# Altium PCB PCB_15122020_01BC.PcbDoc (part 5 of 9)
Units mm, origin at the board's own origin, x right, y up, seen from the top; angles counter-clockwise.
Board outline 207.9 x 131.1 mm, 4 copper layers (Top Layer, Layer 1, Layer 2, Bottom Layer), stack 1.57 mm thick; 684 components, 706 nets, 2796 pads, 1697 vias.
Unrouted connection lines stored in the file: 3.
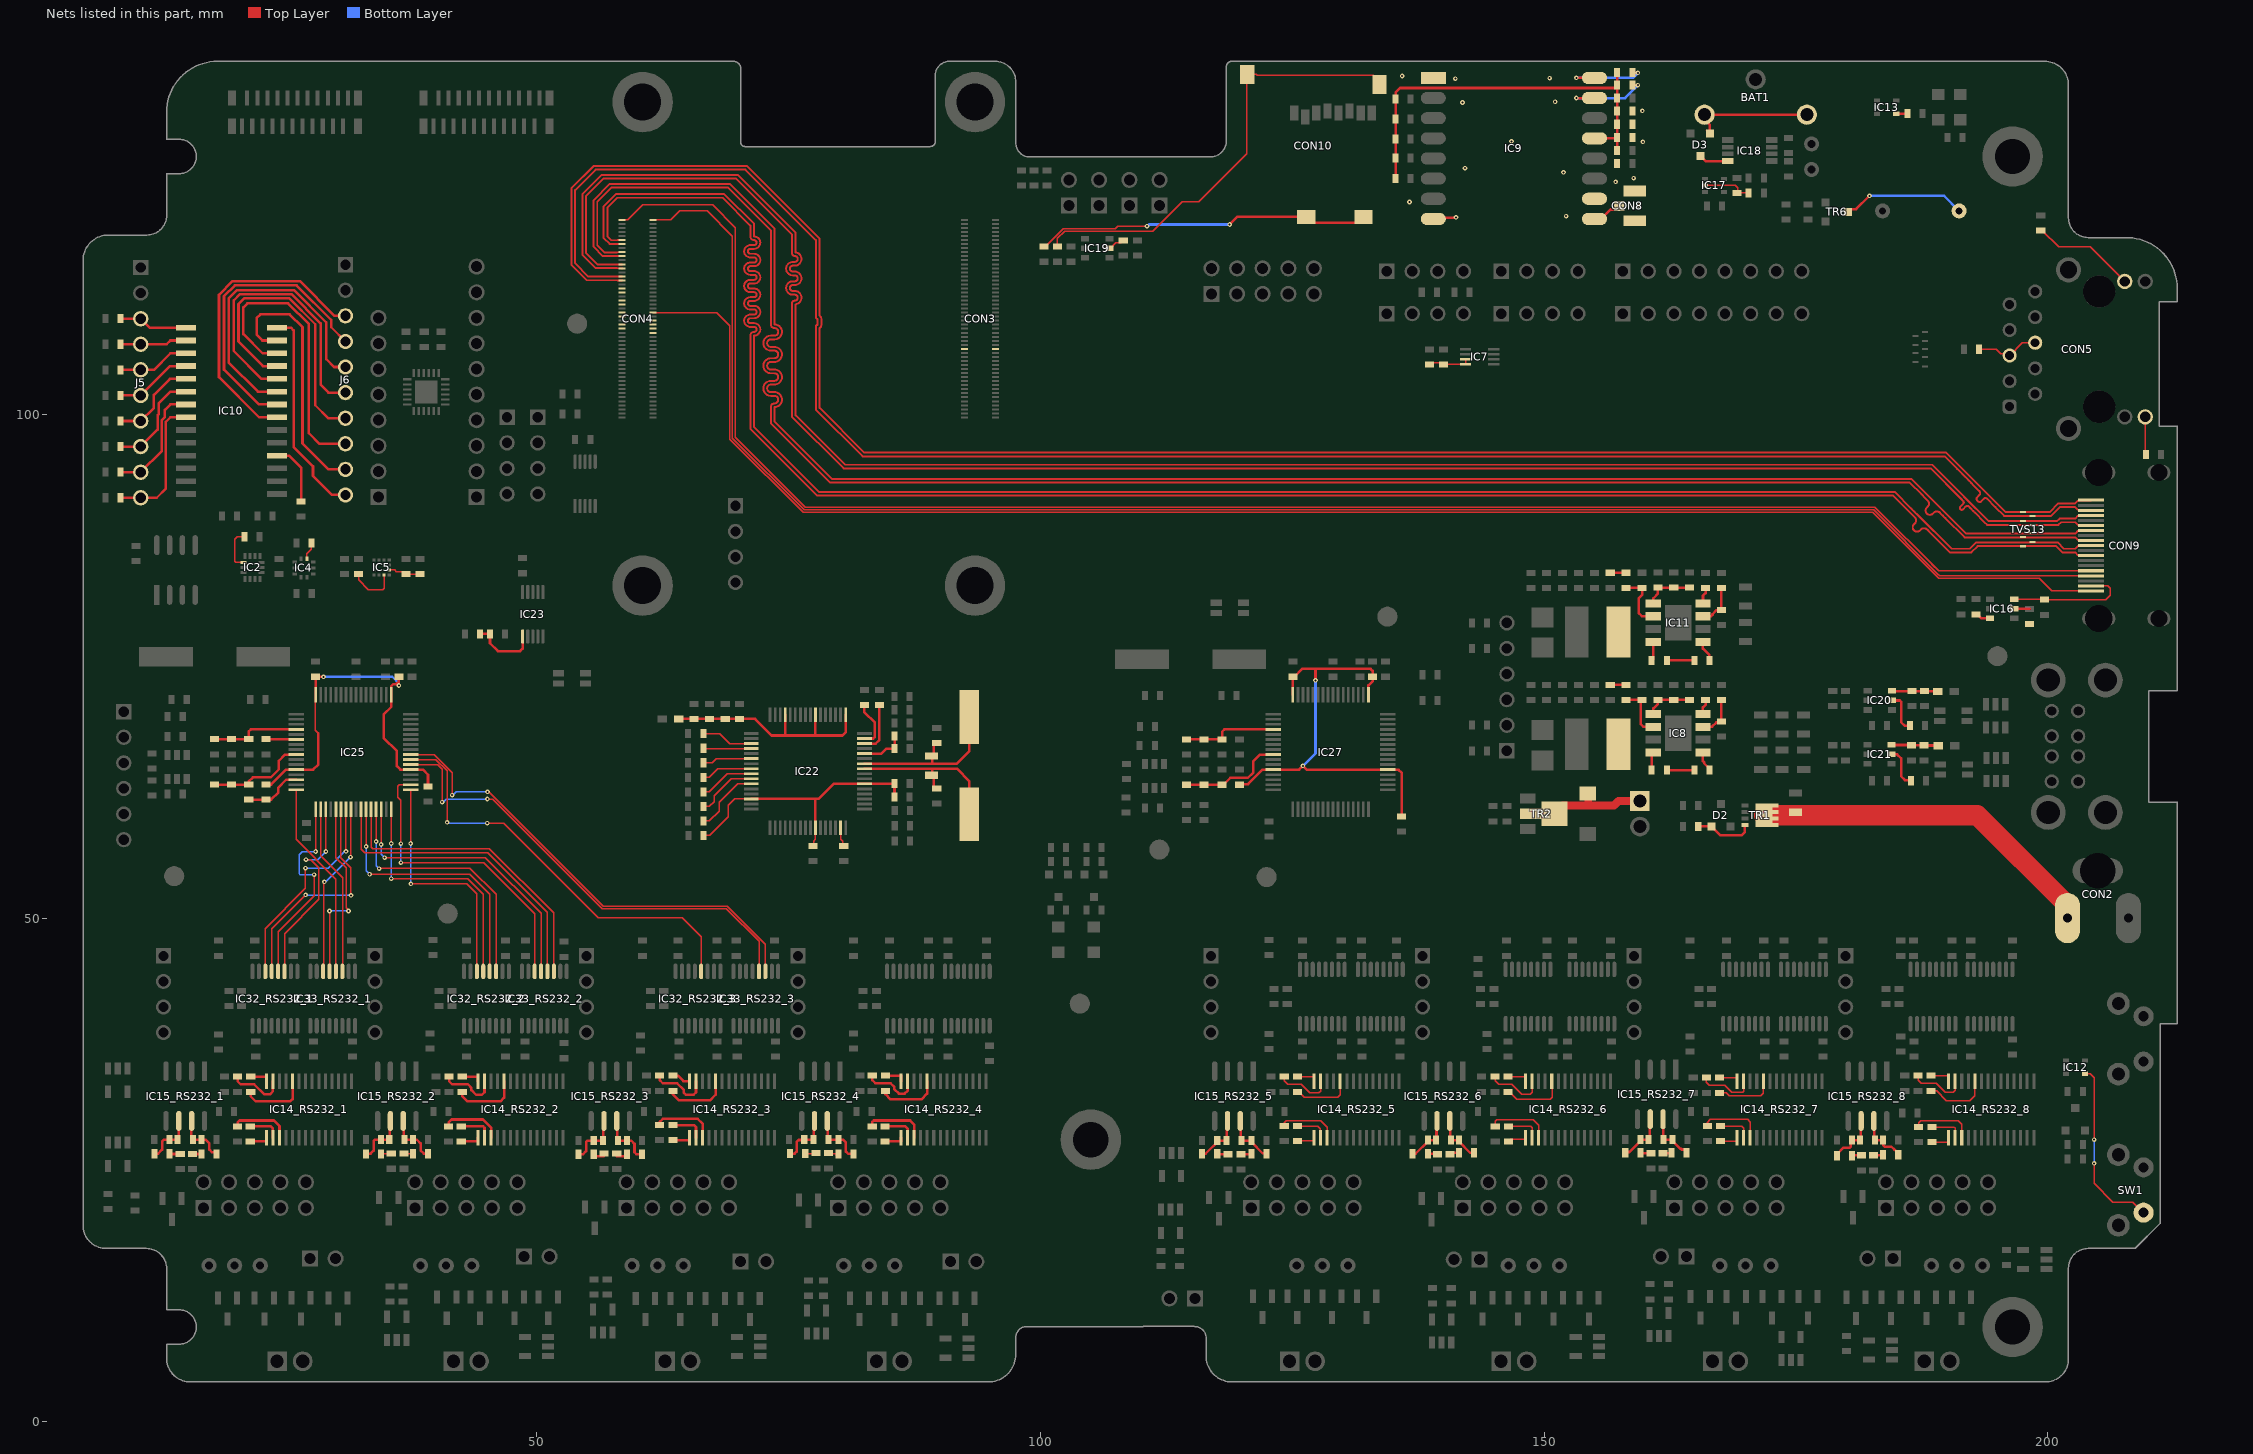
[diagram p7: the nets of this part, all layers, seen from the top]

## Via types
v1: diameter 0.46, hole 0.2, Top Layer to Bottom Layer, tented both sides, 1697 vias

## Nets (pads, with @x,y where several pads share a name; then routed paths per layer and width w, separated by ;. In a path a pad name is that pad's centre, name@x,y a point inside that pad or via, vN(x,y) a via of type N, cw(c..) or ccw(c..) an arc to the next point about the centre after c; other vN are vias at no path point) (continued)
HDMI0_CLK_N: CON4.90 CON9.12 TVS13.5 | length 189.8
  Top Layer w0.192: CON4.90@58.46,117.3 58.456,117.296 57.999,117.296 57.988,117.285 57.373,117.285 57,117.658 57,120.5 58,121.5 68.446,121.5 71.2,118.746 71.2,117.664 ccw(c71.569,117.664) 71.569,117.295 cw(c71.569,117.049) 71.815,117.049 cw(c71.569,117.049) 71.569,116.803 71.198,116.803 ccw(c71.198,116.187) 71.198,115.572 71.571,115.572 cw(c71.571,115.326) 71.817,115.326 cw(c71.571,115.326) 71.571,115.08 71.198,115.08 ccw(c71.198,114.465) 71.198,113.849 71.571,113.849 cw(c71.571,113.603) 71.817,113.603 cw(c71.571,113.603) 71.571,113.357 71.198,113.357 ccw(c71.198,112.742) 71.198,112.127 71.571,112.127 cw(c71.571,111.881) 71.817,111.881 cw(c71.571,111.881) 71.571,111.635 71.198,111.635 ccw(c71.198,111.019) 71.198,110.404 71.571,110.404 cw(c71.571,110.158) 71.817,110.158 cw(c71.571,110.158) 71.571,109.912 71.198,109.912 ccw(c71.198,109.297) 71.198,108.681 71.571,108.681 cw(c71.571,108.435) 71.817,108.435 cw(c71.571,108.435) 71.571,108.189 ccw(c71.571,107.818) 71.2,107.818 71.2,98.577 77.847,91.93 184.647,91.93 186.2,90.378 186.501,90.077 186.802,89.775 cw(c186.501,89.474) 186.802,89.173 186.713,89.085 ccw(c187.015,88.783) 186.713,88.482 ccw(c187.015,88.783) 187.316,88.482 187.404,88.571 cw(c187.705,88.27) 188.007,88.571 188.308,88.27 188.33,88.247 190.287,86.29 192.405,86.29 193.031,86.916 200.813,86.916 201.439,86.29 202.72,86.29 202.981,86.029 204.246,86.029 CON9.12@204.3,85.975
HDMI0_CLK_P: CON4.88 CON9.10 TVS13.6 | length 189.8
  Top Layer w0.192: CON4.88@58.46,116.9 58.456,116.904 57.999,116.904 57.988,116.915 57.22,116.915 56.63,117.505 56.63,120.653 57.847,121.87 68.599,121.87 71.57,118.899 71.57,117.664 cw(c71.569,117.049) 72.185,117.049 cw(c71.569,117.049) 71.569,116.433 71.198,116.433 ccw(c71.198,116.187) 71.198,115.941 71.571,115.941 cw(c71.571,115.326) 72.187,115.326 cw(c71.571,115.326) 71.571,114.711 71.198,114.711 ccw(c71.198,114.465) 71.198,114.219 71.571,114.219 cw(c71.571,113.603) 72.187,113.603 cw(c71.571,113.603) 71.571,112.988 71.198,112.988 ccw(c71.198,112.742) 71.198,112.496 71.571,112.496 cw(c71.571,111.881) 72.187,111.881 cw(c71.571,111.881) 71.571,111.265 71.198,111.265 ccw(c71.198,111.019) 71.198,110.773 71.571,110.773 cw(c71.571,110.158) 72.187,110.158 cw(c71.571,110.158) 71.571,109.542 71.198,109.542 ccw(c71.198,109.297) 71.198,109.051 71.571,109.051 cw(c71.571,108.435) 72.187,108.435 cw(c71.571,108.435) 71.571,107.82 ; 71.57,107.818 71.57,98.73 78,92.3 184.8,92.3 186.461,90.639 186.762,90.338 187.063,90.037 190.44,86.66 192.252,86.66 192.878,87.286 200.966,87.286 201.592,86.66 202.72,86.66 202.981,86.921 204.246,86.921 CON9.10@204.3,86.975
HDMI0_HOTPLUG: CON4.53 CON9.19 | length 160.8
  Top Layer w0.127: CON4.53@61.54,110.1 67.859,110.1 69.169,108.79 69.169,97.53 76.43,90.269 182.605,90.269 189.153,83.721 199.154,83.721 200.4,82.475 CON9.19@204.3,82.475
HDMI0_SCL: CON4.100 CON9.15 | length 175.1
  Top Layer w0.127: CON4.100@58.46,119.3 59.018,119.3 60.506,120.789 67.459,120.789 69.7,118.548 69.7,97.75 76.65,90.8 90.075,90.8 182.825,90.8 189.15,84.475 ; 188.488,85.138 189.15,84.475 ; CON9.15@204.8,84.475 189.15,84.475
HDMI0_SDA: CON4.99 CON9.16 | length 170.4
  Top Layer w0.127: CON4.99@61.54,119.3 63.3,119.3 64.2,120.2 66.902,120.2 69.423,117.679 69.423,97.635 76.535,90.523 182.71,90.523 189.085,84.148 189.258,83.975 CON9.16@204.8,83.975
HDMI0_TX0_N: CON4.84 CON9.9 TVS13.4 | length 189.7
  Top Layer w0.192: CON4.84@58.46,116.1 58.456,116.096 57.999,116.096 57.988,116.085 56.715,116.085 56,116.8 56,121.1 57.4,122.5 69,122.5 73.23,118.27 73.23,108.929 ccw(c73.592,108.929) 73.592,108.568 cw(c73.592,108.192) 73.967,108.192 cw(c73.592,108.192) 73.592,107.816 73.239,107.816 ccw(c73.239,107.07) 73.239,106.325 73.592,106.325 cw(c73.592,105.949) 73.967,105.949 cw(c73.592,105.949) 73.592,105.573 73.239,105.573 ccw(c73.239,104.828) 73.239,104.082 73.592,104.082 cw(c73.592,103.706) 73.967,103.706 cw(c73.592,103.706) 73.592,103.33 73.239,103.33 ccw(c73.239,102.585) 73.239,101.84 73.592,101.84 cw(c73.592,101.464) 73.967,101.464 cw(c73.592,101.464) 73.592,101.088 ccw(c73.592,100.727) 73.23,100.727 73.23,99.127 79.127,93.23 186.293,93.23 187.477,92.046 187.779,91.745 188.08,91.444 cw(c187.779,91.143) 188.08,90.842 187.991,90.753 ccw(c188.292,90.452) 187.991,90.151 ccw(c188.292,90.452) 188.593,90.151 188.682,90.24 cw(c188.983,89.938) 189.284,90.24 189.585,89.938 189.828,89.696 191.734,87.79 202.72,87.79 202.981,87.529 204.246,87.529 CON9.9@204.3,87.475
HDMI0_TX0_P: CON4.82 CON9.7 TVS13.7 | length 189.7
  Top Layer w0.192: CON4.82@58.46,115.7 58.456,115.704 57.999,115.704 57.988,115.715 56.562,115.715 55.63,116.647 55.63,121.253 57.247,122.87 69.153,122.87 73.6,118.423 73.6,108.937 cw(c73.592,108.192) 74.337,108.192 cw(c73.592,108.192) 73.592,107.446 73.239,107.446 ccw(c73.239,107.07) 73.239,106.694 73.592,106.694 cw(c73.592,105.949) 74.337,105.949 cw(c73.592,105.949) 73.592,105.204 73.239,105.204 ccw(c73.239,104.828) 73.239,104.452 73.592,104.452 cw(c73.592,103.706) 74.337,103.706 cw(c73.592,103.706) 73.592,102.961 73.239,102.961 ccw(c73.239,102.585) 73.239,102.209 73.592,102.209 cw(c73.592,101.464) 74.337,101.464 cw(c73.592,101.464) 73.6,100.718 73.6,99.28 79.28,93.6 186.446,93.6 187.739,92.308 188.04,92.007 188.341,91.705 191.887,88.16 202.72,88.16 202.981,88.421 204.246,88.421 CON9.7@204.3,88.475
HDMI0_TX1_N: CON4.78 CON9.6 TVS13.8 | length 189.8
  Top Layer w0.192: CON4.78@58.46,114.9 58.456,114.896 57.999,114.896 57.988,114.885 56.015,114.885 54.9,116 54.9,121.685 56.615,123.4 69.8,123.4 75.329,117.871 75.329,116.006 ccw(c75.61,116.006) 75.61,115.725 cw(c75.61,115.429) 75.906,115.429 cw(c75.61,115.429) 75.61,115.133 75.417,115.133 ccw(c75.417,114.467) 75.417,113.802 75.61,113.802 cw(c75.61,113.506) 75.906,113.506 cw(c75.61,113.506) 75.61,113.21 75.417,113.21 ccw(c75.417,112.545) 75.417,111.879 75.61,111.879 cw(c75.61,111.583) 75.906,111.583 cw(c75.61,111.583) 75.61,111.287 ccw(c75.61,111.006) 75.329,111.006 75.329,99.749 80.447,94.63 188.37,94.63 191.332,91.668 191.468,91.532 191.603,91.397 cw(c191.468,91.261) 191.603,91.126 191.325,90.847 ccw(c191.461,90.712) 191.325,90.576 ccw(c191.461,90.712) 191.596,90.576 191.874,90.854 cw(c192.01,90.719) 192.146,90.854 192.281,90.719 192.343,90.657 192.611,90.39 192.737,90.263 193.71,89.29 193.975,89.025 201.059,89.025 201.324,89.29 202.72,89.29 202.981,89.029 204.246,89.029 CON9.6@204.3,88.975
HDMI0_TX1_P: CON4.76 CON9.4 TVS13.2 | length 189.7
  Top Layer w0.192: CON4.76@58.46,114.5 58.456,114.504 57.999,114.504 57.988,114.515 55.862,114.515 54.53,115.847 54.53,121.838 56.462,123.77 69.953,123.77 75.698,118.024 75.698,116.088 cw(c75.61,115.429) 76.275,115.429 cw(c75.61,115.429) 75.61,114.763 75.417,114.763 ccw(c75.417,114.467) 75.417,114.171 75.61,114.171 cw(c75.61,113.506) 76.275,113.506 cw(c75.61,113.506) 75.61,112.841 75.417,112.841 ccw(c75.417,112.545) 75.417,112.249 75.61,112.249 cw(c75.61,111.583) 76.275,111.583 cw(c75.61,111.583) 75.698,110.924 75.698,99.902 80.6,95 188.523,95 191.593,91.929 191.729,91.794 194.128,89.395 200.906,89.395 201.171,89.66 202.72,89.66 202.981,89.921 204.246,89.921 CON9.4@204.3,89.975
HDMI0_TX2_N: CON4.72 CON9.3 TVS13.9 | length 189.8
  Top Layer w0.192: CON4.72@58.46,113.7 58.456,113.696 57.999,113.696 57.988,113.685 55.127,113.685 53.8,115.012 53.8,122.27 55.83,124.3 70.7,124.3 77.698,117.302 77.698,109.659 ccw(c77.883,109.659) 77.875,109.475 77.875,108.883 ccw(c77.883,108.698) 77.698,108.698 77.698,100.479 82.347,95.83 189.747,95.83 191,94.577 191.534,94.043 191.736,93.841 192.141,93.437 192.389,93.189 192.591,92.987 192.995,92.582 193.217,92.36 cw(c193.036,92.178) 193.217,91.996 193.004,91.782 ccw(c193.186,91.6) 193.004,91.418 193.044,91.378 ccw(c193.226,91.56) 193.408,91.378 193.68,91.65 cw(c193.804,91.526) 193.928,91.65 194.787,90.79 195.657,89.92 200.323,89.92 201.193,90.79 202.72,90.79 202.981,90.529 204.246,90.529 CON9.3@204.3,90.475
HDMI0_TX2_P: CON4.70 CON9.1 TVS13.1 | length 189.8
  Top Layer w0.192: CON4.70@58.46,113.3 58.456,113.304 57.999,113.304 57.988,113.315 54.974,113.315 53.43,114.858 53.43,122.423 55.677,124.67 70.853,124.67 78.068,117.455 78.068,109.793 cw(c77.883,109.482) 78.245,109.482 78.245,108.875 cw(c77.883,108.875) 78.068,108.564 78.068,100.632 82.5,96.2 189.9,96.2 191.261,94.839 191.796,94.305 191.998,94.102 192.402,93.698 192.65,93.45 192.852,93.248 193.256,92.844 193.479,92.621 195.81,90.29 200.17,90.29 201.04,91.16 202.72,91.16 202.981,91.421 204.246,91.421 CON9.1@204.3,91.475
HDMI1_CEC: CON4.49
HDMI1_CLK_N: CON4.66
HDMI1_CLK_P: CON4.64
HDMI1_HOTPLUG: CON4.43
HDMI1_SCL: CON4.47
HDMI1_SDA: CON4.45
HDMI1_TX0_N: CON4.60
HDMI1_TX0_P: CON4.58
HDMI1_TX1_N: CON4.54
HDMI1_TX1_P: CON4.52
HDMI1_TX2_N: CON4.48
HDMI1_TX2_P: CON4.46
HDMI_PWR: C53.1 CON9.18 IC16.6 | length 12.4
  Top Layer w0.127: IC16.6@196.665,81.65 199.6,81.65 C53.1@199.65,81.6 205.75,81.6 206.2,82.05 206.2,82.725 205.95,82.975 CON9.18@204.3,82.975
ID_SC: CON3.35
ID_SD: CON3.36
LORA_+3V3: C2.2 C3.2 C4.2 FR3.1 IC9.13 R3.2 R4.2 R5.2 R6.2 R7.2 R8.2 R9.2 R10.2 | length 40.8
  Top Layer w0.254: R7.2@135.25,123.4 R3.2@135.25,125.45 R4.2@135.25,127.325 R5.2@135.25,129.325 R6.2@135.25,131.325 135.25,131.95 135.7,132.4 157.077,132.4 R9.2@157.25,132.573 ; IC9.13@155,127.4 157.15,127.4 C4.2@157.25,127.5 ; FR3.1@157.25,126.2 C4.2@157.25,127.5 ; R10.2@157.25,133.925 R9.2@157.25,132.675 R9.2@157.25,132.573 ; C4.2@157.25,127.5 C2.2@157.25,128.8 C3.2@157.25,130.1 R8.2@157.25,131.4 R9.2@157.25,132.573
LORA_DIO1: IC9.15 R9.1 | length 9
  Top Layer w0.254: v1(153.2,131.4) IC9.15@155,131.4 ; R9.1@158.75,132.675 v1(159.3,132.675)
  Bottom Layer w0.254: v1(153.2,131.4) 158.025,131.4 v1(159.3,132.675)
LORA_DIO2: IC9.16 R10.1 | length 8.9
  Top Layer w0.254: v1(153.2,133.4) 155.1,133.4 IC9.16@155,133.4 ; R10.1@158.75,133.925 158.775,133.9 v1(159.3,133.9)
  Bottom Layer w0.254: v1(153.2,133.4) 158.8,133.4 v1(159.3,133.9)
LORA_GND: C2.1 C3.1 C4.1 CON8.2 CON8.3 FR4.1 IC9.1 IC9.8 IC9.10 | length 2.3
  Top Layer w0.254: IC9.8@139,119.4 139.12,119.519 141.205,119.519 v1(141.243,119.557)
  other v1: 152.186,119.668 159.332,120.716 136.629,121.076 157.102,123.086 158.882,123.446 151.918,124.021 142.148,124.434 159.8,127.05 146.761,127.096 159.74,130.135 141.895,130.965 151.094,131.034 141.187,133.321 150.542,133.38 135.898,133.588
NetBAT1_1: BAT1.1 D3.1 | length 12.7
  Top Layer w0.127: D3.1@166.113,128.203 D3.1@166.45,127.867
  Top Layer w0.254: D3.1@166.45,127.867 166.45,128.748 165.92,129.278 BAT1.1@165.92,129.75 BAT1.1@176.08,129.75
NetBZ1_2: BZ1.2 TR6.3 | length 12.3
  Top Layer w0.254: TR6.3@180.15,120.1 180.423,120.373 180.973,120.373 v1(182.3,121.7)
  Bottom Layer w0.254: v1(182.3,121.7) 189.7,121.7 BZ1.2@191.2,120.2
NetC5_1: C5.1 IC7.7 IC7.8 R11.1 | length 4.3
  Top Layer w0.127: R11.1@138.6,104.95 138.775,105.125 139.825,105.125 C5.1@140,104.95 140.025,104.975 IC7.8@142.195,104.975 IC7.7@142.195,105.475
NetC8_1: C8.1 CON2.1 TR1.3 | length 35.1
  Top Layer w2: TR1.3@171.824,60.2 193,60.2 201.95,51.25 CON2.1@201.95,50
NetC10_1: C10.1 IC8.1 | length 2
  Top Layer w0.254: IC8.1@165.765,66.435 165.765,65.59 165.893,65.462 165.893,65.357 166.425,64.825 C10.1@166.425,64.675
NetC10_2: C10.2 R26.1 | length 2.8
  Top Layer w0.254: R26.1@162.175,64.675 C10.2@164.925,64.675
NetC11_2: C11.2 IC8.5 R27.1 R31.2 | length 4.7
  Top Layer w0.254: IC8.5@160.835,70.245 160.835,70.814 161.285,71.264 161.285,71.644 C11.2@161.291,71.65 R27.1@162.868,71.65 R31.2@164.445,71.65
NetC26_1: C26.1 IC8.4 | length 1.5
  Top Layer w0.254: IC8.4@165.765,70.245 165.765,70.906 166.023,71.164 C26.1@166.023,71.65
NetC27_1: C27.1 IC8.6 R29.1 | length 5.4
  Top Layer w0.254: R29.1@158.136,71.65 C27.1@159.714,71.65 159.595,71.531 159.595,69.236 159.856,68.975 IC8.6@160.835,68.975
NetC28_1: C28.1 R29.2 | length 1.3
  Top Layer w0.254: C28.1@156.4,73.15 R29.2@157.7,73.15
NetC29_1: C29.1 IC11.1 | length 2.1
  Top Layer w0.254: IC11.1@165.765,77.42 165.765,76.737 166.399,76.103 166.399,75.603 C29.1@166.425,75.577
NetC29_2: C29.2 R32.1 | length 2.7
  Top Layer w0.254: R32.1@162.175,75.577 C29.2@164.925,75.577
NetC30_2: C30.2 IC11.5 R33.1 R37.2 | length 4.9
  Top Layer w0.254: IC11.5@160.835,81.23 160.835,81.743 161.292,82.2 161.292,82.799 C30.2@161.291,82.8 R33.1@162.868,82.8 R37.2@164.445,82.8
NetC40_1: C40.1 IC11.4 | length 1.6
  Top Layer w0.254: IC11.4@165.765,81.23 165.771,81.236 165.771,82.017 166.023,82.269 C40.1@166.023,82.75
NetC41_1: C41.1 IC11.6 R35.1 | length 5.8
  Top Layer w0.254: R35.1@158.136,82.775 C41.1@159.714,82.775 159.717,82.772 159.717,82.076 159.378,81.737 159.378,80.283 159.701,79.96 IC11.6@160.835,79.96
NetC42_1: C42.1 R35.2 | length 1.3
  Top Layer w0.254: C42.1@156.4,84.275 R35.2@157.7,84.275
NetC43_1: C43.1 CON5.5 CON5.6 | length 6.4
  Top Layer w0.127: C43.1@193.161,106.462 193.173,106.45 194.9,106.45 195.319,106.031 196.019,106.031 CON5.5@196.21,105.84 197.48,107.11 CON5.6@198.75,107.11
NetC46_RS232_1_1: C46_RS232_1.1 IC14_RS232_1.28 | length 2
  Top Layer w0.254: C46_RS232_1.1@21.6,34.25 23.132,34.25 23.155,34.227 IC14_RS232_1.28@23.155,33.8
NetC46_RS232_1_2: C46_RS232_1.2 IC14_RS232_1.24 | length 6.7
  Top Layer w0.254: C46_RS232_1.2@21.6,32.75 21.6,32.3 22.1,31.8 25.518,31.8 25.755,32.037 IC14_RS232_1.24@25.755,33.8
NetC46_RS232_2_1: C46_RS232_2.1 IC14_RS232_2.28 | length 2
  Top Layer w0.254: C46_RS232_2.1@42.6,34.25 44.132,34.25 44.155,34.227 IC14_RS232_2.28@44.155,33.8
NetC46_RS232_2_2: C46_RS232_2.2 IC14_RS232_2.24 | length 6.6
  Top Layer w0.254: C46_RS232_2.2@42.6,32.75 42.6,32.3 43.1,31.8 46.387,31.8 46.755,32.167 IC14_RS232_2.24@46.755,33.8
NetC46_RS232_3_1: C46_RS232_3.1 IC14_RS232_3.28 | length 1.9
  Top Layer w0.254: C46_RS232_3.1@63.5,34.35 64,34.35 64.55,33.8 IC14_RS232_3.28@65.155,33.8
NetC46_RS232_3_2: C46_RS232_3.2 IC14_RS232_3.24 | length 6.4
  Top Layer w0.254: C46_RS232_3.2@63.5,32.85 63.5,32.5 64.1,31.9 67.2,31.9 67.755,32.455 IC14_RS232_3.24@67.755,33.8
NetC46_RS232_4_1: C46_RS232_4.1 IC14_RS232_4.28 | length 2.1
  Top Layer w0.254: C46_RS232_4.1@84.6,34.35 86.132,34.35 86.155,34.327 IC14_RS232_4.28@86.155,33.8
NetC46_RS232_4_2: C46_RS232_4.2 IC14_RS232_4.24 | length 6.2
  Top Layer w0.254: C46_RS232_4.2@84.6,32.85 84.6,32.525 85.125,32 88.187,32 88.755,32.567 IC14_RS232_4.24@88.755,33.8
NetC46_RS232_5_1: C46_RS232_5.1 IC14_RS232_5.28 | length 2.1
  Top Layer w0.127: C46_RS232_5.1@125.5,34.25 127.068,34.25 127.155,34.164 IC14_RS232_5.28@127.155,33.8
NetC46_RS232_5_2: C46_RS232_5.2 IC14_RS232_5.24 | length 5.9
  Top Layer w0.127: C46_RS232_5.2@125.5,32.75 125.65,32.75 126.2,32.2 129.5,32.2 129.755,32.455 IC14_RS232_5.24@129.755,33.8
NetC46_RS232_6_1: C46_RS232_6.1 IC14_RS232_6.28 | length 2.2
  Top Layer w0.127: C46_RS232_6.1@146.4,34.25 148.068,34.25 148.155,34.164 IC14_RS232_6.28@148.155,33.8
NetC46_RS232_6_2: C46_RS232_6.2 IC14_RS232_6.24 | length 6.4
  Top Layer w0.127: C46_RS232_6.2@146.4,32.75 146.55,32.75 147.3,32 150.6,32 150.8,32.2 150.8,33.755 IC14_RS232_6.24@150.755,33.8
NetC46_RS232_7_1: C46_RS232_7.1 IC14_RS232_7.28 | length 2.1
  Top Layer w0.127: C46_RS232_7.1@167.4,34.15 169.068,34.15 169.155,34.064 IC14_RS232_7.28@169.155,33.8
NetC46_RS232_7_2: C46_RS232_7.2 IC14_RS232_7.24 | length 5.8
  Top Layer w0.127: C46_RS232_7.2@167.4,32.65 168.068,32.65 168.368,32.35 171.505,32.35 171.755,32.6 IC14_RS232_7.24@171.755,33.8
NetC46_RS232_8_1: C46_RS232_8.1 IC14_RS232_8.28 | length 2.2
  Top Layer w0.127: C46_RS232_8.1@188.4,34.35 190.068,34.35 190.105,34.314 IC14_RS232_8.28@190.105,33.85
NetC46_RS232_8_2: C46_RS232_8.2 IC14_RS232_8.24 | length 6.4
  Top Layer w0.127: C46_RS232_8.2@188.4,32.85 188.958,32.85 189.939,31.869 192.269,31.869 192.755,32.355 IC14_RS232_8.24@192.755,33.8
NetC47_RS232_1_1: C47_RS232_1.1 IC14_RS232_1.27 | length 5.6
  Top Layer w0.254: C47_RS232_1.1@20.3,34.25 20.3,33.795 20.595,33.5 21.946,33.5 22.946,32.5 23.5,32.5 23.805,32.805 IC14_RS232_1.27@23.805,33.8
NetC47_RS232_2_1: C47_RS232_2.1 IC14_RS232_2.27 | length 5.8
  Top Layer w0.254: C47_RS232_2.1@41.3,34.25 41.3,33.795 41.595,33.5 43.146,33.5 43.5,33.146 43.5,32.923 43.968,32.455 44.555,32.455 44.805,32.705 IC14_RS232_2.27@44.805,33.8
NetC47_RS232_3_1: C47_RS232_3.1 IC14_RS232_3.27 | length 6
  Top Layer w0.254: C47_RS232_3.1@62.2,34.35 62.2,33.9 62.5,33.6 63.923,33.6 64.6,32.923 64.6,32.65 64.795,32.455 65.555,32.455 65.8,32.7 65.8,33.795 IC14_RS232_3.27@65.805,33.8
NetC47_RS232_4_1: C47_RS232_4.1 IC14_RS232_4.27 | length 5.7
  Top Layer w0.254: C47_RS232_4.1@83.3,34.35 83.3,33.9 83.6,33.6 85.123,33.6 85.5,33.223 85.5,33 85.933,32.567 86.522,32.567 86.805,32.85 IC14_RS232_4.27@86.805,33.8
NetC47_RS232_5_1: C47_RS232_5.1 IC14_RS232_5.27 | length 5.6
  Top Layer w0.127: C47_RS232_5.1@124.2,34.25 124.2,33.85 124.55,33.5 125.9,33.5 126.75,32.65 127.638,32.65 127.805,32.817 IC14_RS232_5.27@127.805,33.8
NetC47_RS232_6_1: C47_RS232_6.1 IC14_RS232_6.27 | length 5.8
  Top Layer w0.127: C47_RS232_6.1@145.1,34.25 145.143,34.207 145.143,33.85 145.493,33.5 146.782,33.5 147.757,32.525 148.63,32.525 148.805,32.7 IC14_RS232_6.27@148.805,33.8
NetC47_RS232_7_1: C47_RS232_7.1 IC14_RS232_7.27 | length 5.6
  Top Layer w0.127: C47_RS232_7.1@166.1,34.15 166.1,33.7 166.4,33.4 167.927,33.4 168.627,32.7 169.7,32.7 169.8,32.8 169.8,32.83 169.805,32.834 IC14_RS232_7.27@169.805,33.8
NetC47_RS232_8_1: C47_RS232_8.1 IC14_RS232_8.27 | length 5.6
  Top Layer w0.127: C47_RS232_8.1@187.1,34.35 187.15,34.3 187.15,33.9 187.45,33.6 188.911,33.6 189.8,32.711 190.616,32.711 190.805,32.9 IC14_RS232_8.27@190.805,33.8
NetC48_RS232_1_1: C48_RS232_1.1 IC14_RS232_1.1 | length 2
  Top Layer w0.254: C48_RS232_1.1@21.55,27.825 23.132,27.825 23.155,27.848 IC14_RS232_1.1@23.155,28.2
NetC48_RS232_1_2: C48_RS232_1.2 IC14_RS232_1.2 | length 3.3
  Top Layer w0.254: C48_RS232_1.2@21.55,29.325 23.607,29.325 23.805,29.128 IC14_RS232_1.2@23.805,28.2
NetC48_RS232_2_1: C48_RS232_2.1 IC14_RS232_2.1 | length 2
  Top Layer w0.254: C48_RS232_2.1@42.5,27.825 44.132,27.825 44.155,27.848 IC14_RS232_2.1@44.155,28.2
NetC48_RS232_2_2: C48_RS232_2.2 IC14_RS232_2.2 | length 3.4
  Top Layer w0.254: C48_RS232_2.2@42.5,29.325 44.675,29.325 44.805,29.195 IC14_RS232_2.2@44.805,28.2
NetC48_RS232_3_1: C48_RS232_3.1 IC14_RS232_3.1 | length 1.9
  Top Layer w0.254: C48_RS232_3.1@63.5,27.95 65.132,27.95 65.155,27.973 IC14_RS232_3.1@65.155,28.2
NetC48_RS232_3_2: C48_RS232_3.2 IC14_RS232_3.2 | length 3.4
  Top Layer w0.254: C48_RS232_3.2@63.5,29.45 65.6,29.45 65.8,29.25 65.8,28.205 IC14_RS232_3.2@65.805,28.2
NetC48_RS232_4_1: C48_RS232_4.1 IC14_RS232_4.1 | length 1.9
  Top Layer w0.254: C48_RS232_4.1@84.575,27.825 86.132,27.825 86.155,27.848 IC14_RS232_4.1@86.155,28.2
NetC48_RS232_4_2: C48_RS232_4.2 IC14_RS232_4.2 | length 3.2
  Top Layer w0.254: C48_RS232_4.2@84.575,29.325 86.58,29.325 86.805,29.1 IC14_RS232_4.2@86.805,28.2
NetC48_RS232_5_1: C48_RS232_5.1 IC14_RS232_5.1 | length 1.9
  Top Layer w0.127: C48_RS232_5.1@125.5,27.85 125.55,27.9 127.068,27.9 127.155,27.986 IC14_RS232_5.1@127.155,28.2
NetC48_RS232_5_2: C48_RS232_5.2 IC14_RS232_5.2 | length 3.3
  Top Layer w0.127: C48_RS232_5.2@125.5,29.35 127.54,29.35 127.79,29.1 127.79,28.215 IC14_RS232_5.2@127.805,28.2
NetC48_RS232_6_1: C48_RS232_6.1 IC14_RS232_6.1 | length 1.9
  Top Layer w0.127: C48_RS232_6.1@146.44,27.825 146.676,28.061 148.068,28.061 148.155,28.148 IC14_RS232_6.1@148.155,28.2
NetC48_RS232_6_2: C48_RS232_6.2 IC14_RS232_6.2 | length 3.4
  Top Layer w0.127: C48_RS232_6.2@146.44,29.325 148.647,29.325 148.805,29.167 IC14_RS232_6.2@148.805,28.2
NetC48_RS232_7_1: C48_RS232_7.1 IC14_RS232_7.1 | length 2